# Altium PCB CTRL V5.PcbDoc (part 2 of 3)
Units mil, origin at the board's own origin, x right, y up, seen from the top; angles counter-clockwise.
Board outline 1988.19 x 1466.54 mil, 2 copper layers (Top Layer, Bottom Layer); 108 components, 97 nets, 447 pads, 160 vias.
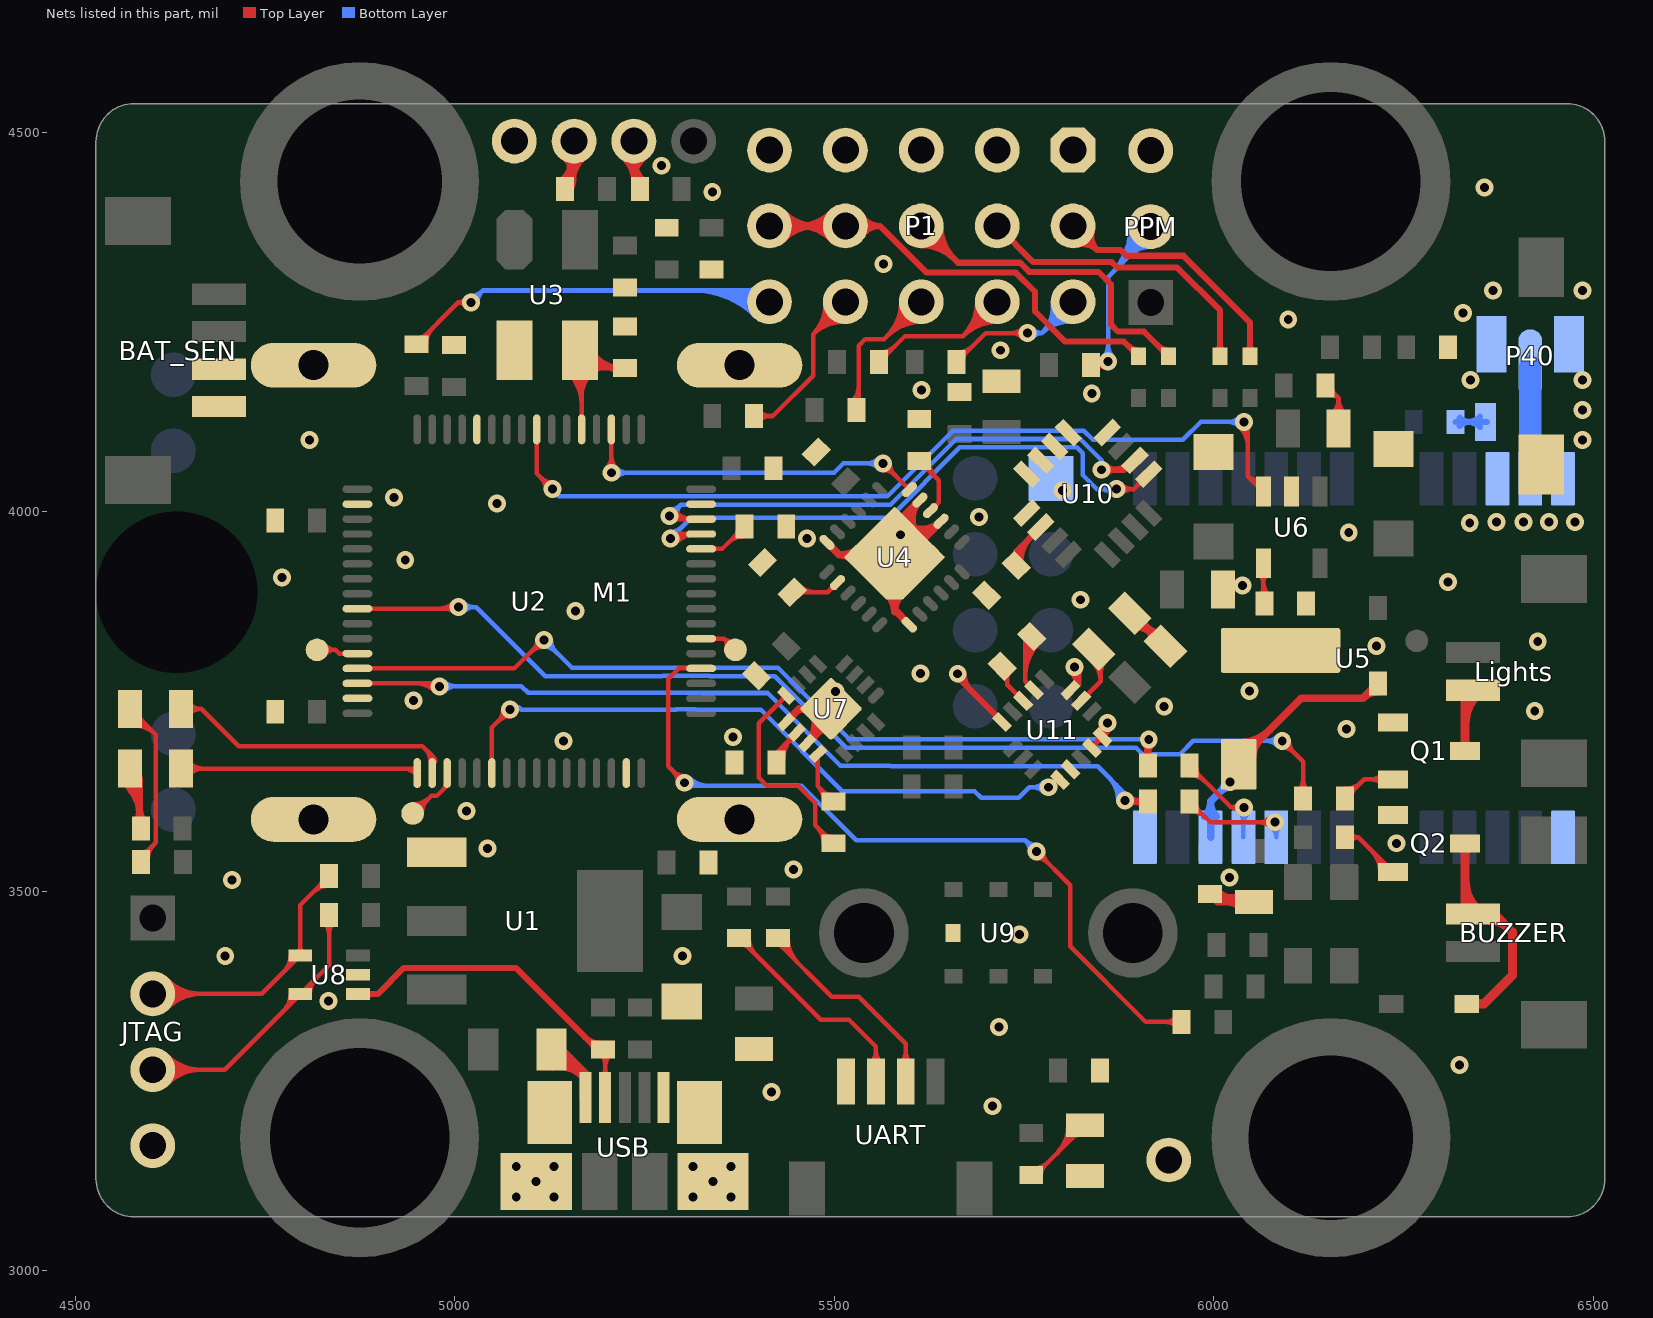
[diagram p2: the nets of this part, all layers, seen from the top]

## Via types
v1: diameter 23.62, hole 11.81, Top Layer to Bottom Layer, 160 vias

## Nets (pads, with @x,y where several pads share a name; then routed paths per layer and width w, separated by ;. In a path a pad name is that pad's centre, name@x,y a point inside that pad or via, vN(x,y) a via of type N, cw(c..) or ccw(c..) an arc to the next point about the centre after c; other vN are vias at no path point) (continued)
E01_LDO_EN: U2.8 U6.3 | length 1304
  Top Layer w6: U2.8@5108.27,4108.27 5108.27,4050.2 v1(5128.94,4029.53) ; v1@5120.13,4029.53 ccw(c5098.85,4029.53) 5113.9,4044.57 ccw(c5128.94,4059.61) v1@5128.94,4038.34 ; v1@6034.12,4111.88 cw(c6007.2,4084.96) 6045.28,4084.96 ; v1@6038.37,4116.12 cw(c6021.68,4099.44) 6045.28,4099.44 ; v1(6040.35,4118.11) 6045.28,4113.19 6045.28,4046.66 ; 6051.95,4039.98 ccw(c6060.95,4048.98) U6.3@6065.27,4037.01 ; U6.3@6063.24,4042.66 cw(c6057.41,4058.8) 6045.28,4046.66 ; U6.3@6065.56,4026.38 6045.28,4046.66
  Bottom Layer w6: v1@5128.94,4028.67 5137.24,4020.37 5570.38,4020.37 5656.65,4106.65 5829.05,4106.65 5841.21,4094.49 5959.65,4094.49 5983.27,4118.11 v1(6040.35,4118.11) ; v1@6034.12,4111.88 ccw(c6019.08,4096.84) 6019.08,4118.11 ccw(c6019.08,4139.38) v1@6034.12,4124.34
EXTAL: C10.2 U2.5 U3.3 | length 488
  Top Layer w6: U3.3@5150.77,4182.27 cw(c5110.82,4142.31) 5167.32,4142.31 ; U3.3@5155.01,4186.51 cw(c5125.3,4156.8) 5167.32,4156.8 ; U3.3@5159.26,4190.75 cw(c5139.79,4171.28) 5167.32,4171.28 ; U3.3@5165.35,4204.72 U3.3@5167.32,4202.76 ; U2.5@5167.32,4108.27 U3.3@5167.32,4202.76 ; 5167.32,4151.82 cw(c5210.39,4151.82) 5179.94,4182.27 cw(c5196.13,4166.07) 5196.13,4188.98 ; 5167.32,4166.3 cw(c5195.9,4166.3) U3.3@5175.69,4186.51 ; U3.3@5172.1,4202.21 ccw(c5199.54,4224.02) 5199.54,4188.98 ; U3.3@5176.8,4205.95 ccw(c5211.97,4233.91) C10.2@5211.97,4188.98 ; U3.3@5181.5,4209.68 ccw(c5224.41,4243.79) C10.2@5224.41,4188.98 5181.1,4188.98 U3.3@5167.32,4202.76 ; C10.2@5214.24,4182.75 ccw(c5199.2,4167.7) 5199.2,4188.98 ccw(c5199.2,4210.25) C10.2@5214.24,4195.21
G\Y\R\O\_\C\S\: U2.61 U10.5 | length 943.5
  Top Layer w6: v1(5284.45,3964.57) 5290.35,3970.47 U2.61@5324.8,3970.47 ; v1@5286.44,3962.58 cw(c5305.49,3943.52) U2.61@5305.49,3970.47 ; v1@5290.68,3958.34 cw(c5319.98,3929.04) U2.61@5319.98,3970.47 ; v1(5872.05,4029.53) 5894.84,4029.53 U10.5@5914.68,4049.37 ; v1@5878.28,4023.3 cw(c5893.32,4008.26) 5893.32,4029.53 cw(c5893.32,4050.8) v1@5878.28,4035.76 ; U10.5@5902.61,4042.3 cw(c5890.54,4042.3) 5899.08,4033.77 cw(c5907.61,4025.23) U10.5@5907.61,4037.3
  Bottom Layer w6: v1(5284.45,3964.57) 5312.01,3992.13 5573.24,3992.13 5665.76,4084.65 5819.88,4084.65 5827.76,4076.77 5827.76,4048.23 5846.46,4029.53 v1(5872.05,4029.53) ; v1@5284.45,3973.38 ccw(c5284.45,3994.65) 5299.49,3979.61 ccw(c5314.53,3964.57) v1@5293.26,3964.57 ; v1@5865.82,4023.3 ccw(c5850.78,4008.26) 5850.78,4029.53 ccw(c5850.78,4050.8) v1@5865.82,4035.76
GND: B2.GND BAT_SEN.3 BAT_SEN.4 C1.2 C2.2 C3.1 C4.1 C5.1 C6.2 C7.1 C8.C C9.2 C10.1 C11.1 C12.C C13.1 C14.2 C15.C C16.2 C17.1 C18.1 C19.1 C20.1 C22.1 C23.1 C24.1 C25.2 C26.1 C27.1 C28.1 C29.1 C31.1 GND.1 JTAG.4 M1.1 P1.1 P1.4 P1.7 P1.10 P1.13 P2.1 P40.GND PPM.3 PWR.C Q1.1 Q2.1 R1.1 RESET.1 U1.1 U2.12 U2.18 U2.31 U2.47 U2.63 U3.2 U4.1 U4.9 U4.11 U4.18 U4.25 U5.10 U5.12 U5.13 U5.24 U6.2 U7.9 U7.11 U7.17 U8.2 U9.7 U10.8 U10.9 U10.10 U10.11 U10.12 U10.13 U11.5 U11.10 U11.12 U11.13 U11.16 UART.4 USB.GND | length 2416.3
  Top Layer w6: U11.12@5839.73,3691.56 ccw(c5839.73,3698.8) 5844.85,3693.68 ccw(c5849.97,3688.56) U11.12@5842.73,3688.56 ; 5848.85,3697.67 ccw(c5827.85,3718.67) v1@5857.44,3721.22 ; U11.13@5850.87,3702.7 cw(c5843.63,3702.7) 5848.75,3697.58 cw(c5853.87,3692.46) U11.13@5853.87,3699.7 ; v1@5851.46,3720.7 cw(c5811.06,3717.23) U11.12@5839.73,3688.56 5860.24,3709.06 ; U11.13@5853.87,3705.7 ccw(c5853.87,3712.94) 5858.99,3707.82 ccw(c5864.11,3702.7) U11.13@5856.87,3702.7 ; v1@5857.34,3713.13 cw(c5855.93,3709.06) 5860.24,3709.06 ; U11.13@5857.96,3706.79 ccw(c5844.64,3720.12) v1@5863.41,3721.73 ; v1(5860.24,3721.46) 5860.24,3709.06 ; v1@5863.13,3713.13 ccw(c5864.55,3709.06) 5860.24,3709.06
  Top Layer w8: v1(5662.95,3786.36) 5666.76,3782.55 5666.76,3777.56 U11.5@5721.42,3722.9 ; v1@5670.77,3786.36 ccw(c5701.68,3786.36) 5679.82,3764.5
  Top Layer w10: U7.9@5436.9,3722.76 5454.3,3740.16 ; U7.17@5472.99,3731.84 cw(c5439.8,3719.87) U7.11@5464.74,3694.92 5496.06,3726.24 U7.17@5496.06,3740.16 5454.3,3740.16 ; U7.17@5474.64,3728.21 ccw(c5454.3,3716.87) 5454.3,3740.16 ; U7.17@5474.64,3752.1 cw(c5454.3,3763.44) 5454.3,3740.16 ; 5475.88,3706.06 ccw(c5456.17,3725.77) U7.17@5482.4,3735.23 ; 5477.95,3708.13 cw(c5496.06,3690.02) U7.17@5496.06,3715.63 ; U4.18@5490.64,3959.45 5507.17,3942.91 U4.25@5549.1,3942.91 ; U4.25@5516.5,3942.91 cw(c5516.5,3887.87) U4.25@5555.42,3926.79 ; U4.25@5524.23,3942.91 ccw(c5524.23,3982.13) U4.25@5558.45,3962.99 ; U4.25@5524.63,3935.32 ccw(c5507.18,3919.06) 5507.18,3942.91 ccw(c5507.18,3991.66) U4.25@5549.73,3967.87 ; U4.25@5540.64,3942.91 cw(c5540.64,3912.02) U4.25@5562.49,3933.86 ; U4.25@5555.9,3926.32 cw(c5502.1,3870.37) 5579.72,3870.37 ; U4.25@5562.83,3933.53 cw(c5524.69,3893.86) 5579.72,3893.86 cw(c5634.76,3893.86) U4.25@5596.61,3933.53 ; U4.25@5563.15,3934.52 ccw(c5610.88,3957.17) U4.25@5593.15,3907.4 ; U4.25@5564.67,3920.2 cw(c5552.94,3896.12) U4.25@5579.72,3896.12 ; U4.25@5564.95,3895.23 cw(c5547.98,3868.4) 5579.72,3868.4 cw(c5611.46,3868.4) U4.25@5594.5,3895.23 ; U4.25@5566.83,3894.41 cw(c5562.01,3876.44) U4.25@5578.12,3885.74 ; U4.25@5570.29,3903.68 cw(c5559.47,3886.56) 5579.72,3886.56 cw(c5599.98,3886.56) U4.25@5589.15,3903.68 ; U4.25@5573.5,3912.71 ccw(c5599.42,3925.01) U4.25@5589.79,3897.98 ; U4.25@5574.91,3891.3 cw(c5563.28,3879.68) 5579.72,3879.68 cw(c5596.17,3879.68) U4.25@5584.54,3891.3 ; U4.25@5575.17,3899.22 ccw(c5588.97,3895.53) U4.25@5576.6,3888.38 ; U4.25@5575.27,3912.75 ccw(c5595.59,3918.2) U4.25@5590.01,3897.91 ; U4.25@5579.72,3949.48 cw(c5593.88,3949.48) U4.25@5589.64,3962.99 ; U4.25@5579.78,3895.9 ccw(c5590.23,3898.7) U4.25@5587.36,3888.27 ; U4.25@5581.33,3885.74 cw(c5597.43,3876.44) U4.25@5592.62,3894.41 ; U4.25@5582.17,3890.92 cw(c5588.34,3887.19) U4.25@5589.64,3894.29 ; U4.25@5582.85,3888.38 ccw(c5570.48,3895.53) U4.25@5584.28,3899.22 ; U4.25@5584.1,3975.33 ccw(c5562.85,4010.88) 5603.01,4000.78 ; U4.25@5584.41,3969.47 cw(c5624.69,3969.72) 5596.21,3998.2 ; U4.25@5586.73,3963.64 ccw(c5601.23,3989.61) 5622.26,3968.58 ; U4.25@5589.24,3966.75 ccw(c5580.37,3981.58) U4.25@5597.12,3977.36 ; U4.25@5591.61,3972.37 ccw(c5607.93,4001.61) 5631.62,3977.93 ; U4.25@5591.74,3958.97 cw(c5617.57,3975.9) 5595.74,3997.73 ; U4.25@5593.61,3966.29 cw(c5599.89,3962.95) U4.25@5601.63,3969.84 ; U4.25@5594.41,3969.53 cw(c5658.32,3969.93) U4.11@5613.13,4015.13 ccw(c5638.59,3989.67) U4.25@5608.47,3969.93 ; U4.25@5594.78,3920.2 ccw(c5606.5,3896.12) U4.25@5579.72,3896.12 ; U4.25@5596.48,3981.1 ccw(c5614.64,4013.62) U4.9@5640.97,3987.29 5604.78,3951.1 U4.25@5579.72,3951.1 5579.72,3981.72 U4.11@5613.13,4015.13 ; U4.1@5599.21,3850.88 5579.72,3870.36 ; U4.25@5600.11,3964.45 cw(c5628.08,3982.78) 5604.43,4006.43 ; U4.25@5603.55,3926.32 ccw(c5657.35,3870.37) 5579.72,3870.37 ; U4.25@5614.09,3951.1 cw(c5636.58,3951.1) 5620.68,3967 ; U11.16@5811.67,3764.7 5820.87,3773.9 v1@5820.87,3795.28 ; v1@5812.8,3789.86 cw(c5800.33,3773.54) U11.16@5820.87,3773.54 ; U11.16@5815.91,3770.36 ccw(c5803.94,3782.33) 5820.87,3782.33 ; C31.1@5889.48,3865.85 5893.41,3865.85 C29.1@5936.72,3822.55 ; C31.1@5896.02,3848.56 cw(c5896.02,3813.11) C29.1@5921.09,3838.18 ; C31.1@5906.77,3859.31 ccw(c5923.21,3859.31) 5911.58,3847.69 ; C29.1@5919.43,3829.09 ccw(c5893.48,3829.09) 5911.83,3847.44 ccw(c5930.18,3865.79) C29.1@5930.18,3839.84 ; C26.1@5995.08,3496.06 6005.44,3485.7 C17.1@6053.15,3485.7 ; C26.1@5996.76,3493.81 ccw(c6016.33,3513.38) 6016.33,3485.7 ; C26.1@6003.83,3500.88 ccw(c6040.47,3537.52) C17.1@6040.47,3485.7 ; 6016.54,3492.11 ccw(c6024.04,3520.1) C17.1@6038.52,3495.01 ; 6020.67,3491.01 cw(c6014.74,3468.86) C17.1@6034.59,3480.33 ; C17.1@6036.3,3478.1 ccw(c6017.95,3459.75) 6017.95,3485.7 ccw(c6017.95,3511.65) C17.1@6036.3,3493.3 ; 5579.72,3870.36 U4.25@5579.72,3896.12
  other v1: 5708.66,3216.54 5417.32,3235.24 6323.82,3270.67 5717.52,3320.87 4833.66,3355.32 4697.83,3414.37 5300.2,3414.37 5744.09,3442.91 4706.69,3514.76 6020.83,3517.87 5446.85,3528.54 5043.31,3556.1 6241.14,3562.99 5015.75,3605.32 5143.7,3697.83 5367.13,3702.76 6175.2,3713.58 6423.23,3737.2 5935.04,3743.11 4945.87,3750.98 5501.97,3762.8 6047.24,3763.78 5614.17,3786.42 5816.93,3795.28 6214.57,3822.83 6427.17,3828.74 5159.45,3869.09 5824.8,3883.86 6038.08,3902.64 6309.06,3907.48 4772.64,3913.39 4935.04,3936.02 5464.57,3964.57 5587.6,3969.49 6178.15,3972.44 6337.6,3985.24 6373.03,3986.22 6408.46,3986.22 6441.93,3986.22 6476.38,3986.22 5690.94,3993.11 5056.1,4010.83 4920.28,4018.7 5801.18,4027.56 4809.06,4094.49 6486.22,4094.49 6486.22,4133.86 5839.57,4155.51 5615.16,4160.43 6338.58,4173.23 6486.22,4173.23 5719.49,4212.6 6098.43,4252.95 6328.74,4261.81 6368.11,4291.34 6486.22,4291.34 5564.96,4326.38 5339.57,4421.26 6357.28,4427.17 5272.64,4455.71
GREEN: R_G.2 U2.52 | length 1208.3
  Top Layer w6: v1@5294.34,3642.72 ccw(c5273.07,3642.72) 5288.11,3657.76 ccw(c5303.15,3672.8) v1@5303.15,3651.53 ; v1(5303.15,3642.72) 5281.5,3664.37 5281.5,3701.77 5281.5,3779.53 5295.28,3793.31 U2.52@5324.8,3793.31 ; v1@5766.73,3543.36 cw(c5766.73,3522.08) 5781.77,3537.12 cw(c5796.81,3552.17) v1@5775.54,3552.17 ; v1(5766.73,3552.17) 5811.02,3507.87 5811.02,3427.17 5910.43,3327.76 R_G.2@5957.68,3327.76 ; R_G.2@5951.45,3321.53 ccw(c5936.41,3306.49) 5936.41,3327.76 ccw(c5936.41,3349.03) R_G.2@5951.45,3333.99
  Bottom Layer w6: v1(5303.15,3642.72) 5307.03,3638.83 5457.19,3638.83 5529.27,3566.76 5534.43,3566.76 5752.14,3566.76 ; v1@5305.14,3644.7 ccw(c5319.31,3658.88) 5319.31,3638.83 ; v1@5309.38,3636.49 cw(c5315.04,3630.82) 5315.04,3638.83 ; v1@5309.38,3648.95 ccw(c5333.8,3673.37) 5333.8,3638.83 ; v1@5757.92,3552.36 ccw(c5738.18,3552.79) 5752.14,3566.76 ; v1@5766.54,3560.97 cw(c5766.11,3580.72) 5752.14,3566.76 ; v1(5766.73,3552.17) 5752.14,3566.76
GYRO_DRDY: U2.62 U10.6 | length 899.9
  Top Layer w6: v1(5283.46,3994.09) 5287.4,3990.16 U2.62@5324.8,3990.16 ; v1@5285.45,3996.08 ccw(c5299.75,4010.38) 5299.75,3990.16 ; v1@5289.69,3987.86 cw(c5295.23,3982.33) 5295.23,3990.16 ; v1@5289.69,4000.32 ccw(c5314.24,4024.87) U2.62@5314.24,3990.16 ; v1(5852.36,4055.12) 5853.35,4054.13 5883.25,4054.13 ; v1@5858.59,4048.89 cw(c5871.26,4036.22) 5871.26,4054.13 ; v1@5858.59,4061.35 ccw(c5876.01,4078.77) 5876.01,4054.13 ; v1@5858.8,4061.14 ccw(c5869.39,4071.05) 5873.15,4057.03 ; v1@5859.99,4050.71 cw(c5867.98,4046.1) 5865.59,4055.01 ; v1@5862.33,4054.13 ccw(c5862.33,4087.59) U10.6@5885.98,4063.93 ; 5876.81,4054.13 ccw(c5876.81,4073.1) U10.6@5890.22,4059.69
  Bottom Layer w6: v1(5283.46,3994.09) 5298.23,4008.86 ; v1@5283.58,4002.9 ccw(c5283.85,4023.23) 5298.23,4008.86 ; v1@5292.27,3994.21 cw(c5312.6,3994.48) 5298.23,4008.86 ; v1@5849.34,4063.39 ccw(c5847.75,4067.72) 5852.36,4067.72 ; v1(5852.36,4055.12) 5852.36,4067.72 ; v1@5855.39,4063.39 cw(c5856.97,4067.72) 5852.36,4067.72 ; 5298.23,4008.86 5574.42,4008.86 5661.21,4095.65 5824.44,4095.65 5852.36,4067.72
LED1: LED1.C U2.33 | length 415.4
  Top Layer w6: LED1.C@4639.3,3661.42 4944.88,3661.42 U2.33@4950.79,3655.51 ; LED1.C@4644.07,3656.64 cw(c4655.59,3645.12) 4655.59,3661.42 cw(c4655.59,3677.71) LED1.C@4644.07,3666.19 ; LED1.C@4648.31,3652.4 cw(c4670.08,3630.64) 4670.08,3661.42 cw(c4670.08,3692.19) LED1.C@4648.31,3670.43 ; 4931.9,3661.42 cw(c4931.9,3636.62) U2.33@4949.43,3654.15 ; U2.33@4946.38,3661.42 cw(c4946.38,3651.11) U2.33@4953.67,3658.4
LED2: LED2.C U2.34 | length 444.7
  Top Layer w6: LED2.C@4639.3,3740.16 4666.34,3740.16 ; LED2.C@4649.13,3732.05 cw(c4666.34,3717.86) 4666.34,3740.16 ; LED2.C@4649.13,3748.27 ccw(c4666.34,3762.46) 4666.34,3740.16 ; 4961.62,3687 cw(c4944.9,3670.28) U2.34@4968.55,3670.28 ; U2.34@4970.47,3655.51 4970.47,3678.15 4957.68,3690.94 4950.26,3690.94 4950.14,3690.82 4715.68,3690.82 4666.34,3740.16 ; 4971.87,3676.75 cw(c4965.39,3670.28) U2.34@4974.55,3670.28
LIGNTS: R3.1 U2.25 | length 1561.6
  Top Layer w6: U2.25@4872.05,3872.05 5002.95,3872.05 v1(5004.92,3874.02) ; 4978.9,3872.05 ccw(c4978.9,3900.04) v1@4998.69,3880.25 ; 4988.4,3872.05 cw(c4988.4,3857.49) v1@4998.69,3867.79 ; v1@6090.55,3689.02 cw(c6090.55,3667.75) 6105.59,3682.79 cw(c6120.63,3697.83) v1@6099.36,3697.83 ; v1(6090.55,3697.83) 6118.11,3670.28 R3.1@6118.11,3622.05 ; R3.1@6111.88,3632.22 ccw(c6096.84,3647.26) 6118.11,3647.26 ccw(c6139.38,3647.26) R3.1@6124.34,3632.22
  Bottom Layer w6: v1(5004.92,3874.02) 5028.54,3874.02 5119.39,3783.17 5273.82,3783.17 5274.13,3783.47 5336.1,3783.47 5336.58,3783 5421.92,3783 5516.11,3688.8 5897.82,3688.8 5906.63,3679.99 5955.58,3679.99 5973.42,3697.83 v1(6090.55,3697.83) ; v1@5011.15,3867.79 cw(c5026.19,3852.74) 5026.19,3874.02 cw(c5026.19,3895.29) v1@5011.15,3880.25 ; v1@6084.32,3691.6 ccw(c6069.28,3676.56) 6069.28,3697.83 ccw(c6069.28,3719.11) v1@6084.32,3704.06
MAG_DRDY: U2.38 U11.9 | length 1008.5
  Top Layer w6: U2.38@5049.21,3655.51 5049.21,3715.55 v1(5072.83,3739.17) ; v1@5064.02,3739.17 cw(c5042.75,3739.17) 5057.79,3724.13 cw(c5072.84,3709.09) v1@5072.83,3730.36 ; v1(5782.48,3636.81) 5787.98,3636.81 U11.9@5797.75,3646.58 cw(c5790.77,3653.55) v1@5786.39,3644.71 ; v1@5783.68,3639.35 ccw(c5786.8,3645.94) 5793.11,3642.3 ; v1@5788.07,3643.62 ccw(c5792.14,3648.58) 5795.35,3643.03 ccw(c5799.42,3635.97) v1@5791.28,3636.37 ; v1@5791.29,3636.81 cw(c5799.28,3636.81) U11.9@5793.63,3642.46 ; U11.9@5794.75,3646.58 cw(c5787.5,3646.58) 5792.62,3641.45 cw(c5797.75,3636.33) U11.9@5797.75,3643.58
  Bottom Layer w6: v1(5072.83,3739.17) 5075.96,3742.3 5084.66,3742.3 ; v1@5079.71,3744.68 ccw(c5084.66,3748.64) 5084.66,3742.3 ; v1@5776.25,3630.58 ccw(c5761.21,3615.54) 5761.21,3636.81 ccw(c5761.21,3658.08) v1@5776.25,3643.04 ; v1(5782.48,3636.81) 5757.35,3636.81 5743.44,3622.91 5693.83,3622.91 5685.02,3631.72 5510.97,3631.72 5403.69,3739 5318.35,3739 5317.88,3739.47 5292.36,3739.47 5291.88,3739 5087.96,3739 5084.66,3742.3
MPU_IQR: U2.3 U4.12 | length 612.3
  Top Layer w6: v1@5200.46,4057.41 ccw(c5185.42,4072.45) 5206.69,4072.45 ccw(c5227.96,4072.45) v1@5212.92,4057.41 ; v1(5206.69,4051.18) U2.3@5206.69,4108.27 ; v1@5564.62,4054.82 cw(c5564.62,4033.55) 5579.66,4048.59 cw(c5594.7,4063.64) v1@5573.43,4063.64 ; v1(5564.62,4063.64) U4.12@5599.21,4029.04 ; U4.12@5596.7,4029.04 ccw(c5590.64,4029.04) 5594.92,4033.33 ccw(c5599.21,4037.62) U4.12@5599.21,4031.56
  Bottom Layer w6: v1(5206.69,4051.18) 5302.96,4051.18 5500,4051.18 5512.45,4063.64 v1(5564.62,4063.64) ; v1@5212.92,4044.95 cw(c5227.96,4029.91) 5227.96,4051.18 cw(c5227.96,4072.45) v1@5212.92,4057.41 ; v1@5558.39,4057.41 ccw(c5543.35,4042.36) 5543.35,4063.64 ccw(c5543.35,4084.91) v1@5558.39,4069.87
MRST: R2.1 U2.30 | length 1358
  Top Layer w6: U2.30@4872.05,3773.62 4976.38,3773.62 v1(4980.32,3769.69) ; 4949.54,3773.62 cw(c4949.54,3738.91) v1@4974.09,3763.46 ; 4964.03,3773.62 cw(c4964.03,3753.4) v1@4978.33,3767.7 ; 4968.55,3773.62 ccw(c4968.55,3781.46) v1@4974.09,3775.92 ; v1@5884.84,3618.11 R2.1@5913.39,3618.11 ; v1@5889.22,3612.87 cw(c5897.6,3604.03) 5900.75,3615.8 cw(c5904.89,3631.26) v1@5890.88,3623.53 ; v1@5889.39,3613.04 cw(c5901.63,3600.81) R2.1@5901.63,3618.11 ; v1@5889.39,3625.5 ccw(c5907.24,3643.35) R2.1@5907.24,3618.11 ; v1@5890.79,3614.87 cw(c5899.04,3610.1) 5896.58,3619.31 ; v1@5891.43,3622.3 ccw(c5895.79,3623.9) 5897,3619.42 ; R2.1@5907.16,3611.88 ccw(c5892.11,3596.84) 5892.11,3618.11 ccw(c5892.11,3639.38) R2.1@5907.16,3624.34
  Bottom Layer w6: v1(4980.32,3769.69) 4982.28,3767.72 4984.55,3769.99 5088.09,3769.99 5096.91,3761.17 5282.94,3761.17 5283.24,3761.47 5326.99,3761.47 5327.46,3761 5412.8,3761 5508.45,3665.35 5573.82,3665.35 5574.8,3664.37 5847.44,3664.37 5883.16,3628.65 v1(5883.16,3619.27) ; v1@4986.55,3763.46 cw(c5002.31,3747.69) 5002.31,3769.99 ; v1@4986.55,3775.92 ccw(c5000.87,3790.24) 5000.87,3769.99 ; 5861.49,3650.32 cw(c5830.44,3619.27) v1@5874.35,3619.27 ; 5871.73,3640.08 cw(c5850.92,3619.27) v1@5880.35,3619.27
MTSR: R5.1 U2.29 | length 1324
  Top Layer w6: U2.29@4872.05,3793.31 5078.74,3793.31 5116.14,3830.71 v1(5118.11,3830.71) ; 5099.71,3814.28 cw(c5118.11,3795.87) v1@5118.11,3821.9 ; 5104.46,3819.03 ccw(c5092.78,3830.71) v1@5109.3,3830.71 ; R5.1@5907.16,3675.52 ccw(c5892.11,3690.56) 5913.39,3690.56 ccw(c5934.66,3690.56) R5.1@5919.62,3675.52 ; v1@5908.14,3694.06 cw(c5898.53,3685.31) 5911.08,3681.95 cw(c5927.62,3677.52) v1@5919.06,3692.35 ; v1@5908.43,3693.75 cw(c5896.46,3681.78) 5913.39,3681.78 ; v1@5910.25,3692.35 cw(c5905.88,3684.78) 5914.33,3687.04 ; R5.1@5913.39,3665.35 5913.39,3697.83 5915.35,3699.8 5915.17,3699.98 v1(5914.66,3699.98) ; R5.1@5913.39,3675.64 cw(c5939,3675.64) v1@5920.89,3693.75 ; 5914.59,3686.06 cw(c5919.09,3687.27) v1@5917.56,3691.66
  Bottom Layer w6: v1@5118.11,3821.9 cw(c5118.11,3800.63) 5133.15,3815.67 cw(c5148.19,3830.71) v1@5126.92,3830.71 ; v1(5118.11,3830.71) 5154.65,3794.17 5269.27,3794.17 5269.57,3794.47 5340.66,3794.47 5341.13,3794 5426.47,3794 5520.67,3699.8 5915.35,3699.8 5915.17,3699.98 v1(5914.66,3699.98)
NetB2_VCC: B2.VCC D6.C U5.22 | length 493.7
  Top Layer w10: B2.VCC@6033.3,3671.43 6115.81,3753.94 6196.84,3753.94 D6.C@6216.53,3773.63 ; B2.VCC@6033.3,3685.5 ccw(c6033.3,3719.46) 6057.32,3695.44 ; B2.VCC@6033.3,3695.5 ccw(c6033.3,3753.6) 6074.39,3712.52 ; B2.VCC@6051.92,3676.87 cw(c6083.73,3676.87) 6061.24,3699.37 ; 6197.75,3754.85 cw(c6216.53,3736.07) D6.C@6216.53,3762.63
  Bottom Layer w10: U5.22@5988.46,3598.15 ccw(c5970.12,3616.5) 5996.06,3616.5 ccw(c6022.01,3616.5) U5.22@6003.66,3598.15 ; U5.22@5996.06,3570.87 5996.06,3618.11 v1(6021.65,3643.7) ; v1@6014.84,3643.7 cw(c5998.4,3643.7) 6010.03,3632.07 cw(c6021.65,3620.45) v1@6021.65,3636.89
NetBUZZER_2: BUZZER.2 D1.A Q2.3 | length 428.5
  Top Layer w12: Q2.3@6327.16,3558.68 cw(c6317.24,3548.76) 6331.27,3548.76 cw(c6345.3,3548.76) Q2.3@6335.37,3558.68 ; 6331.27,3486.02 ccw(c6358.09,3486.02) BUZZER.2@6339.12,3467.05 ; 6331.27,3514.99 ccw(c6387.06,3514.99) BUZZER.2@6347.61,3475.54 ; Q2.3@6331.27,3562.79 6331.27,3480.57 BUZZER.2@6341.95,3469.88 6369.69,3469.88 6393.7,3445.87 6393.7,3388.78 6356.31,3351.38 D1.A@6333.47,3351.38 ; D1.A@6341.71,3347.14 cw(c6351.96,3336.9) 6351.96,3351.38 cw(c6351.96,3365.87) D1.A@6341.71,3355.63 ; BUZZER.2@6363.45,3461.88 cw(c6363.45,3427.52) 6387.75,3451.82
NetC9_1: C9.1 U6.4 | length 112.9
  Top Layer w6: C9.1@6060.7,3889.11 ccw(c6048.96,3900.84) 6065.56,3900.84 ; U6.4@6060.72,3917.21 cw(c6049.04,3905.53) 6065.56,3905.53 cw(c6082.08,3905.53) U6.4@6070.4,3917.21 ; 6065.56,3907.45 ccw(c6091.5,3907.45) C9.1@6073.16,3889.11 ; U6.4@6065.56,3931.89 6065.56,3880.31 C9.1@6066.93,3878.94